# KiCad board rabbit_mask.kicad_pcb (continued)
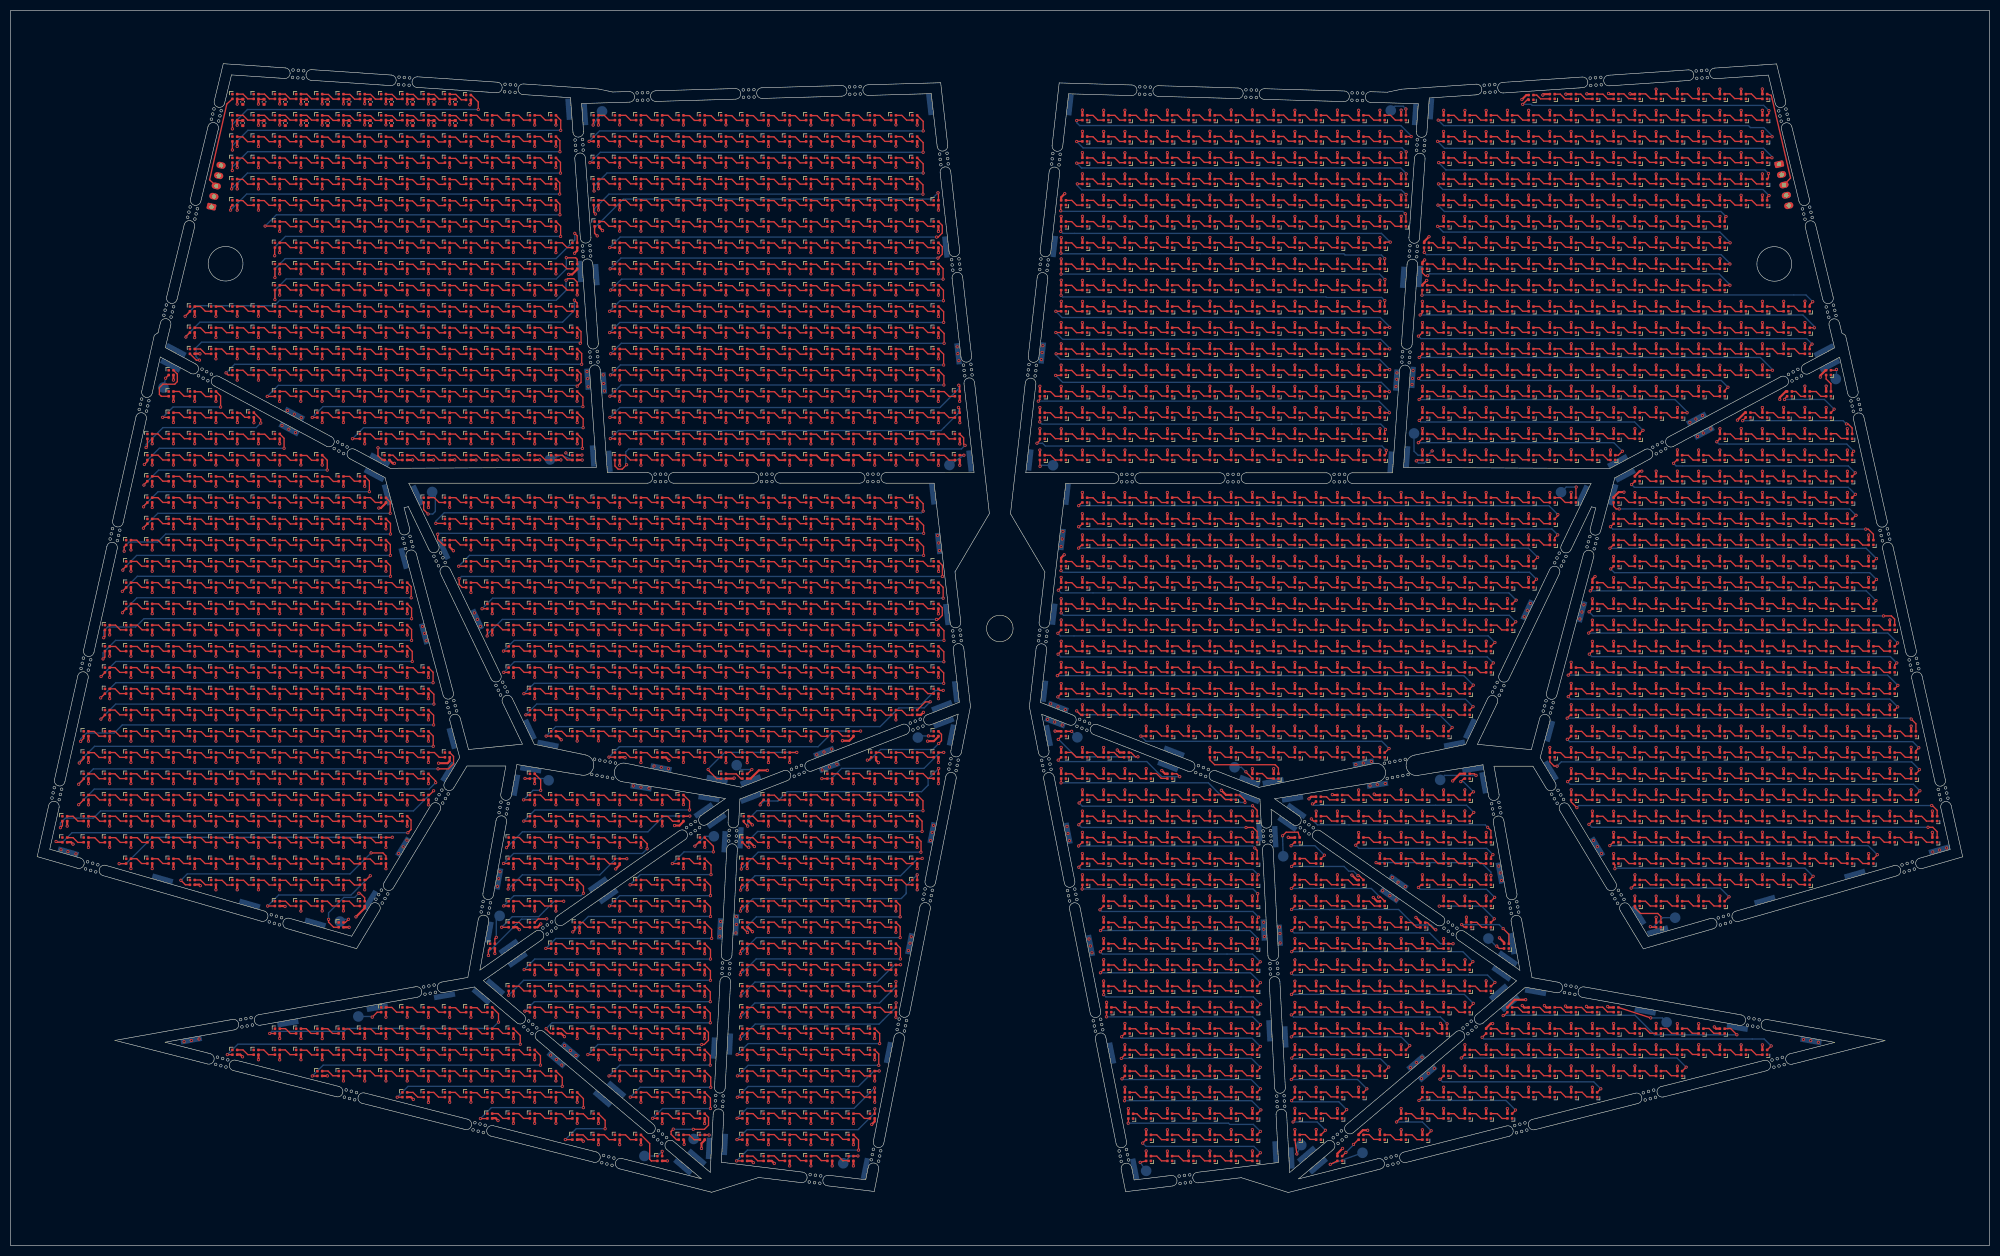
[diagram p0: board, top side]
## Routing (per net, layer and track width the routed paths; a pad name or vN(x,y) marks a point on that pad's centre or on a via; arc(x,y) is an arc through that point) (continued)
v1(217.75,125.8) ; 154.65,19.94 v1(154.65,18.96) ; 66.65,203.99 v1(66.65,203.01) ; 333.76,172.8 v1(333.76,173.78) ; D2649.2 v1(301.75,77.79) ; D2169.2 v1(281.75,133.79) ; 66.65,35.94 v1(66.65,34.96) ; 245.75,52.79 v1(245.75,53.76) ; 30.65,155.94 v1(30.65,154.96) ; 150.65,19.94 v1(150.65,18.96) ; 46.65,171.96 v1(46.65,170.99) ; 106.65,187.96 106.65,187.34 v1(106.15,186.84) ; 134.65,91.89 v1(134.65,90.91) ; D2652.2 v1(313.75,77.79) ; D2752.2 v1(249.75,61.79) ; 337.75,72.79 v1(337.75,73.76) ; 14.65,83.94 v1(14.65,82.96) ; 66.65,115.94 v1(66.65,114.96) ; 249.75,104.81 v1(249.75,105.78) ; D2817.2 v1(225.75,45.79) ; 170.67,131.91 v1(170.67,130.94) ; D2273.2 v1(257.75,121.79) ; 301.74,208.84 v1(301.74,209.81) ; 253.75,128.79 v1(253.75,129.76) ; 341.75,136.8 v1(341.75,137.78) ; 213.77,176.82 v1(213.77,177.8) ; 265.75,28.79 v1(265.75,29.76) ; 229.76,184.83 v1(229.76,185.8) ; D2718.2 v1(329.75,69.79) ; 114.65,119.99 v1(114.65,119.01) ; 42.65,75.94 v1(42.65,74.96) ; 229.75,84.84 228.78,84.84 v1(227.91,85.71) ; 94.65,187.99 v1(94.65,187.01) ; 317.75,204.83 v1(317.75,205.81) ; 54.65,127.94 v1(54.65,126.96) ; 229.75,100.85 v1(229.75,101.82) ; D2717.2 v1(325.75,69.79) ; 78.65,215.94 v1(78.65,214.96) ; 78.65,139.94 v1(78.65,138.96) ; 201.75,108.8 v1(201.75,109.77) ; 301.75,108.79 v1(301.75,109.76) ; D2938.2 v1(225.75,25.79) ; 201.75,100.82 v1(201.75,101.8) ; 309.76,160.82 v1(309.76,161.79) ; 345.74,92.77 v1(345.74,93.74) ; 237.75,196.79 v1(237.75,197.76) ; D2283.2 v1(309.75,121.79) ; 158.65,99.94 v1(158.65,98.96) ; 201.76,192.83 v1(201.76,193.81) ; v1(256.68,84.99) 256.88,84.79 257.75,84.79 ; 50.65,99.94 v1(50.65,98.96) ; D2753.2 v1(253.75,61.79) ; 305.75,212.77 v1(305.75,213.74) ; 229.75,124.85 v1(229.75,125.82) ; 233.75,44.84 v1(233.75,45.81) ; D2305.2 v1(241.75,117.79) ; 225.74,64.82 v1(225.74,65.8) ; 233.75,172.8 v1(233.75,173.77) ; 158.65,183.96 v1(158.65,182.99) ; 54.65,163.94 v1(54.65,162.96) ; 269.75,104.81 v1(269.75,105.78) ; D12.2 86.62,214.99 v1(86.45,214.81) ; 38.65,75.94 v1(38.65,74.96) ; 38.65,131.94 v1(38.65,130.96) ; D1442.2 v1(130.65,26.94) ; 146.65,203.96 v1(146.65,202.99) ; 297.75,204.86 v1(297.75,205.83) ; 309.76,172.81 v1(309.76,173.79) ; 162.65,63.94 v1(162.65,62.96) ; 229.75,160.84 v1(229.75,161.81) ; 293.75,104.86 v1(293.75,105.83) ; 130.65,71.94 v1(130.65,70.96) ; 174.65,107.96 v1(174.65,106.99) ; 38.65,151.94 v1(38.65,150.96) ; 110.65,195.96 v1(110.65,194.99) ; 26.65,79.94 v1(26.65,78.96) ; 229.75,112.83 v1(229.75,113.8) ; D2282.2 v1(305.75,121.79) ; 317.75,40.79 v1(317.75,41.76) ; D492.2 v1(98.65,154.94) ; 158.65,203.96 v1(158.65,202.99) ; 154.65,123.94 v1(154.65,122.96) ; 229.76,192.86 v1(229.76,193.83) ; 253.75,100.8 v1(253.75,101.77) ; 170.62,159.99 v1(170.62,159.01) ; 90.65,175.96 v1(90.65,174.99) ; 317.76,136.79 v1(317.76,137.76) ; D1199.2 114.65,71.64 v1(113.9,70.89) ; v1(266.57,181.73) 265.76,180.93 265.76,180.78 ; 150.65,111.99 v1(150.65,111.01) ; 74.65,207.96 v1(74.65,206.99) ; 273.76,168.79 v1(273.76,169.76) ; 150.65,163.94 v1(150.65,162.96) ; 66.65,211.99 v1(66.65,211.01) ; 62.65,87.94 v1(62.65,86.96) ; 18.65,111.94 v1(18.65,110.96) ; 285.76,156.82 v1(285.76,157.8) ; 245.75,56.79 v1(245.75,57.76) ; 170.65,183.99 v1(170.65,183.01) ; 293.76,180.83 v1(293.76,181.8) ; 18.65,103.94 v1(18.65,102.96) ; 285.76,184.81 v1(285.76,185.79) ; 313.75,176.8 v1(313.75,177.78) ; 74.65,27.94 75.35,27.94 v1(75.8,27.49) ; 90.65,151.96 v1(90.65,150.99) ; D2170.2 v1(285.75,133.79) ; 205.75,104.81 v1(205.75,105.78) ; 110.65,35.94 v1(110.65,34.96) ; 98.65,107.96 v1(98.65,106.99) ; 285.74,208.81 v1(285.74,209.79) ; 38.65,139.94 v1(38.65,138.96) ; 313.75,128.79 v1(313.75,129.76) ; 301.75,124.79 v1(301.75,125.76) ; 217.75,212.82 v1(217.75,213.8) ; 321.76,136.79 v1(321.76,137.76) ; 102.61,147.91 v1(103.58,147.91) ; 213.76,152.82 v1(213.76,153.8) ; 289.76,172.81 v1(289.76,173.79) ; 293.76,84.82 v1(293.76,85.8) ; 209.75,164.8 v1(209.75,165.78) ; v1(83.35,130.81) 82.65,131.51 82.65,131.94 ; 289.76,184.84 v1(289.76,185.81) ; 146.65,191.96 v1(146.65,190.99) ; 241.75,68.79 v1(241.75,69.76) ; 146.65,83.94 v1(146.65,82.96) ; D2815.2 v1(217.75,45.79) ; 249.75,172.8 v1(249.75,173.77) ; D2660.2 v1(345.75,77.79) ; 50.65,91.94 v1(50.65,90.96) ; 34.65,131.94 v1(34.65,130.96) ; D1006.2 v1(74.65,94.94) ; 333.75,140.85 v1(333.75,141.82) ; 106.65,163.96 v1(106.65,162.99) ; 78.65,39.94 v1(78.65,38.96) ; 269.75,108.79 v1(269.75,109.76) ; 213.75,200.82 v1(213.75,201.8) ; 237.75,156.79 v1(237.75,157.76) ; 138.65,91.89 v1(138.65,90.91) ; 50.65,195.96 v1(50.65,194.99) ; 22.65,107.94 v1(22.65,106.96) ; 329.75,76.84 v1(329.75,77.81) ; 309.75,32.79 v1(309.75,33.76) ; D1868.2 v1(241.75,169.79) ; D2685.2 v1(313.75,73.79) ; 46.65,107.94 v1(46.65,106.96) ; 209.76,184.8 v1(209.76,185.78) ; 297.76,160.84 v1(297.76,161.82) ; 62.65,95.94 v1(62.65,94.96) ; 158.65,23.94 v1(158.65,22.96) ; 118.65,131.94 v1(118.65,130.96) ; 301.76,164.79 v1(301.76,165.76) ; 74.65,199.96 v1(74.65,198.99) ; 130.65,207.99 v1(130.65,207.01) ; 130.65,75.94 v1(130.65,74.96) ; 150.65,63.94 v1(150.65,62.96) ; 22.65,103.94 v1(22.65,102.96) ; 46.65,143.94 v1(46.65,142.96) ; 253.76,188.79 v1(253.76,189.76) ; 158.65,171.96 v1(158.65,170.99) ; 217.75,100.82 v1(217.75,101.8) ; 50.65,71.94 v1(50.65,70.96) ; 293.76,168.84 v1(293.76,169.81) ; 166.62,159.96 v1(166.62,158.99) ; D2171.2 v1(289.75,133.79) ; D2383.2 v1(261.75,109.79) ; 90.65,123.96 v1(90.65,122.99) ; 74.65,111.94 v1(74.65,110.96) ; 74.65,43.94 v1(74.65,42.96) ; D2747.2 v1(225.75,61.79) ; 38.65,123.94 v1(38.65,122.96) ; 269.76,76.82 v1(269.76,77.8) ; 22.65,123.94 v1(22.65,122.96) ; D1642.2 v1(261.75,197.79) ; D1992.2 v1(329.75,157.79) ; 217.75,164.8 v1(217.75,165.78) ; 257.76,184.8 v1(257.76,185.78) ; 162.65,59.94 v1(162.65,58.96) ; D2682.2 v1(301.75,73.79) ; 221.75,104.83 v1(221.75,105.81) ; 146.65,127.94 v1(146.65,126.96) ; 138.65,107.96 v1(138.65,106.99) ; 106.65,51.94 v1(106.65,50.96) ; 86.65,179.96 v1(86.65,178.99) ; 257.75,200.8 v1(257.75,201.77) ; 26.65,99.94 v1(26.65,98.96) ; 241.75,204.79 v1(241.75,205.76) ; 118.65,167.96 v1(118.65,166.99) ; 289.76,188.85 v1(289.76,189.82) ; 209.75,172.82 v1(209.75,173.8) ; 166.65,163.96 v1(166.65,162.99) ; 162.65,71.94 v1(162.65,70.96) ; 94.65,59.94 95.28,59.94 v1(95.75,59.46) ; D2873.2 v1(257.75,37.79) ; 245.75,124.82 v1(245.75,125.8) ; 221.74,64.82 v1(221.74,65.8) ; 209.75,136.79 v1(209.75,137.76) ; D2474.2 v1(353.75,101.79) ; v1(123.92,91.34) 123.35,91.91 D1044.2 ; 205.76,192.81 v1(205.76,193.78) ; 213.75,212.82 v1(213.75,213.8) ; 341.75,164.82 341.66,164.82 340.65,163.81 v1(340.65,163.51) ; 213.75,172.82 v1(213.75,173.8) ; 66.65,99.94 v1(66.65,98.96) ; 98.65,83.94 v1(98.65,82.96) ; 90.65,155.96 v1(90.65,154.99) ; 42.67,155.94 v1(42.67,154.96) ; 150.67,123.94 v1(150.67,122.96) ; D2191.2 v1(221.75,129.79) ; D2823.2 v1(253.75,45.79) ; D1363.2 103.65,39.91 v1(104.25,39.31) ; 285.76,152.86 v1(285.76,153.83) ; D2902.2 v1(269.75,33.79) ; D2799.2 v1(225.75,49.79) ; 30.65,75.94 v1(30.65,74.96) ; 237.75,136.79 v1(237.75,137.76) ; 273.76,164.79 v1(273.76,165.76) ; 42.65,103.94 v1(42.65,102.96) ; 337.75,140.85 v1(337.75,141.82) ; 34.65,83.94 v1(34.65,82.96) ; 42.65,131.94 v1(42.65,130.96) ; 261.75,40.79 v1(261.75,41.76) ; 237.75,120.79 v1(237.75,121.76) ; 229.75,104.86 v1(229.75,105.83) ; 241.75,112.8 v1(241.75,113.78) ; 158.65,163.96 v1(158.65,162.99) ; 150.65,55.94 v1(150.65,54.96) ; 142.65,75.94 v1(142.65,74.96) ; 146.65,63.94 v1(146.65,62.96) ; D2205.2 v1(277.75,129.79) ; 289.74,216.8 288.59,216.8 v1(288.42,216.64) ; 305.75,116.8 v1(305.75,117.78) ; 114.65,91.94 115.58,91.94 v1(115.66,91.85) ; 249.75,156.79 v1(249.75,157.76) ; 253.75,68.79 253.43,68.79 v1(252.47,69.74) ; D1973.2 v1(241.75,157.79) ; D2209.2 v1(305.75,129.79) ; 241.75,72.79 v1(241.75,73.76) ; 309.76,168.81 v1(309.76,169.79) ; D2197.2 v1(245.75,129.79) ; 154.65,207.96 v1(154.65,206.99) ; 178.67,147.89 v1(178.67,146.91) ; 277.76,76.8 v1(277.76,77.78) ; 313.75,120.79 v1(313.75,121.76) ; 325.75,200.79 v1(325.75,201.76) ; 245.75,200.82 v1(245.75,201.8) ; 34.65,127.94 v1(34.65,126.96) ; 209.75,112.8 v1(209.75,113.78) ; 86.65,167.96 v1(86.65,166.99) ; 150.65,79.94 v1(150.65,78.96) ; 269.76,44.8 v1(269.76,45.78) ; 277.76,152.86 v1(277.76,153.83) ; D1353.2 v1(58.65,38.94) ; 58.65,79.94 v1(58.65,78.96) ; 329.74,152.83 v1(329.74,153.81) ; D504.2 v1(150.65,154.94) ; 233.76,208.86 v1(233.76,209.83) ; 126.65,179.99 v1(126.65,179.01) ; 309.76,164.81 v1(309.76,165.79) ; 249.76,192.83 v1(249.76,193.81) ; 78.65,191.96 v1(78.65,190.99) ; 245.76,132.81 v1(245.76,133.79) ; 122.65,31.94 v1(122.65,30.96) ; 237.74,140.8 v1(237.74,141.77) ; D2262.2 v1(213.75,121.79) ; 237.77,176.8 v1(237.77,177.77) ; 42.65,199.94 v1(42.65,198.96) ; D1457.2 v1(126.65,22.94) ; 26.65,115.94 v1(26.65,114.96) ; 281.76,152.86 v1(281.76,153.83) ; 293.76,88.82 v1(293.76,89.8) ; D605.2 70.65,139.82 69.7,138.86 v1(69.3,138.86) ; 154.65,43.94 v1(154.65,42.96) ; 317.76,172.79 v1(317.76,173.76) ; D2059.2 v1(317.75,149.79) ; v1(300.63,44.98) 300.8,44.81 D2834.2 ; 138.65,183.99 v1(138.65,183.01) ; 326.61,156.85 326.49,156.85 v1(325.05,155.41) ; 297.74,208.84 v1(297.74,209.81) ; D2347.2 v1(261.75,113.79) ; 277.76,164.81 v1(277.76,165.79) ; 269.75,212.79 v1(269.75,213.77) ; 58.65,183.96 v1(58.65,182.99) ; D1889.2 v1(329.75,169.79) ; 38.65,115.94 v1(38.65,114.96) ; D2894.2 v1(225.75,33.79) ; 233.76,152.8 v1(233.76,153.77) ; 62.65,183.96 v1(62.65,182.99) ; 289.76,156.82 v1(289.76,157.8) ; 158.65,51.94 v1(158.65,50.96) ; 265.75,176.8 v1(265.75,177.78) ; 118.65,139.96 v1(118.65,138.99) ; 102.65,95.94 102.92,95.94 v1(103.65,95.21) ; v1(35.64,167.9) 35.6,167.94 34.65,167.94 ; 229.75,92.79 v1(229.75,93.76) ; 46.65,127.94 v1(46.65,126.96) ; 229.76,208.86 v1(229.76,209.83) ; 166.65,83.94 v1(166.65,82.96) ; D1961.2 v1(193.75,157.79) ; 150.65,15.94 v1(150.65,14.96) ; 229.76,152.85 v1(229.76,153.82) ; 150.65,95.96 v1(150.65,94.99) ; 122.65,183.99 v1(122.65,183.01) ; D2126.2 v1(249.75,137.79) ; 118.65,175.94 v1(118.65,174.96) ; 62.65,67.94 v1(62.65,66.96) ; 233.76,184.78 v1(233.76,185.75) ; 158.65,211.96 v1(158.65,210.99) ; D2746.2 v1(221.75,61.79) ; D1631.2 v1(217.75,197.79) ; 269.76,100.79 v1(269.76,101.76) ; 205.74,140.8 v1(205.74,141.77) ; 142.65,123.99 v1(142.65,123.01) ; 126.65,175.96 v1(126.65,174.99) ; 209.75,124.82 v1(209.75,125.8) ; 237.76,192.81 v1(237.76,193.78) ; D1862.2 v1(217.75,169.79) ; 26.65,87.94 v1(26.65,86.96) ; 273.75,196.79 v1(273.75,197.76) ; D1439.2 v1(118.65,26.94) ; 98.65,191.96 v1(98.65,190.99) ; 142.65,179.99 v1(142.65,179.01) ; 46.65,163.92 v1(46.65,162.95) ; D1977.2 v1(257.75,157.79) ; 30.65,111.94 v1(30.65,110.96) ; 229.75,80.84 v1(229.75,81.81) ; 162.65,111.94 v1(162.65,110.96) ; 102.65,195.96 v1(102.65,194.99) ; 54.65,171.94 v1(54.65,170.96) ; D2895.2 v1(229.75,33.79) ; 34.65,175.94 v1(34.65,174.96) ; 138.65,195.94 v1(138.65,194.96) ; 50.65,131.94 v1(50.65,130.96) ; 345.75,136.8 v1(345.75,137.78) ; 233.76,188.79 v1(233.76,189.76) ; 102.65,171.94 v1(102.65,170.96) ; 18.65,107.94 v1(18.65,106.96) ; 245.75,96.84 v1(245.75,97.81) ; 94.65,23.96 v1(94.65,22.99) ; 233.75,212.85 v1(233.75,213.82) ; 209.75,108.82 v1(209.75,109.8) ; 154.65,59.94 v1(154.65,58.96) ; 209.75,56.79 v1(209.75,57.76) ; D2816.2 v1(221.75,45.79) ; 197.75,104.83 v1(197.75,105.81) ; 273.76,188.82 v1(273.76,189.8) ; 325.75,144.84 v1(325.75,145.81) ; 325.76,100.81 v1(325.76,101.79) ; 253.75,80.79 v1(253.75,81.76) ; 146.65,43.94 v1(146.65,42.96) ; 297.76,184.79 v1(297.76,185.76) ; 82.65,31.94 v1(82.65,30.96) ; 166.65,171.96 v1(166.65,170.99) ; 30.65,147.94 v1(30.65,146.96) ; 110.65,99.99 v1(110.65,99.01) ; 305.75,200.79 v1(305.75,201.76) ; 166.65,167.96 v1(166.65,166.99) ; 146.65,171.94 v1(146.65,170.96) ; D2890.2 v1(209.75,33.79) ; 297.76,100.84 v1(297.76,101.81) ; 42.65,99.94 v1(42.65,98.96) ; 285.76,188.82 v1(285.76,189.8) ; 225.75,156.84 v1(225.75,157.81) ; 50.65,167.94 v1(50.65,166.96) ; 225.75,128.84 v1(225.75,129.81) ; 142.65,207.94 v1(142.65,206.96) ; 273.75,192.8 v1(273.75,193.77) ; 34.65,159.94 v1(34.65,158.96) ; 281.76,180.8 v1(281.76,181.78) ; 205.75,128.79 v1(205.75,129.76) ; 34.65,79.94 v1(34.65,78.96) ; 46.65,131.94 v1(46.65,130.96) ; 106.65,135.99 v1(106.65,135.01) ; 130.65,171.96 v1(130.65,170.99) ; 345.76,88.8 v1(345.76,89.77) ; 158.65,27.94 v1(158.65,26.96) ; 62.65,211.96 v1(62.65,210.99) ; D2129.2 v1(261.75,137.79) ; 38.65,103.94 v1(38.65,102.96) ; 46.65,103.94 v1(46.65,102.96) ; 94.65,151.96 v1(94.65,150.99) ; 138.65,127.96 v1(138.65,126.99) ; 102.65,83.96 v1(102.65,82.99) ; 122.65,155.96 v1(122.65,154.99) ; v1(208.3,93.29) 208.78,92.81 D2511.2 ; 345.75,96.78 v1(345.75,97.75) ; D1480.2 143.27,15.91 v1(143.75,15.44) ; 102.65,199.96 v1(102.65,198.99) ; 142.65,35.94 v1(142.65,34.96) ; 309.76,184.81 v1(309.76,185.79) ; 126.65,39.94 v1(126.65,38.96) ; 229.75,68.84 v1(229.75,69.81) ; 317.76,188.8 v1(317.76,189.77) ; 201.75,160.79 v1(201.75,161.76) ; 62.65,35.94 v1(62.65,34.96) ; 150.65,115.94 v1(150.65,114.96) ; 178.67,151.91 v1(178.67,150.94) ; 102.65,43.94 v1(102.65,42.96) ; 333.75,116.83 v1(333.75,117.8) ; D2862.2 v1(209.75,37.79) ; 333.75,156.84 v1(333.75,157.81) ; 241.75,28.84 v1(241.75,29.81) ; D1648.2 v1(289.75,197.79) ; 265.75,116.78 v1(265.75,117.75) ; 221.75,20.79 v1(221.75,21.76) ; D2611.2 v1(261.75,81.79) ; 38.65,135.94 v1(38.65,134.96) ; D577.2 v1(158.65,146.94) ; 134.65,95.94 v1(134.65,94.96) ; D2855.2 v1(297.75,41.79) ; D821.2 v1(62.65,114.94) ; D1958.2 334.15,160.81 333.03,159.69 v1(333.03,159.31) ; 46.65,91.94 v1(46.65,90.96) ; D578.2 v1(162.65,146.94) ; 237.75,164.78 v1(237.75,165.75) ; 245.74,64.8 v1(245.74,65.77) ; 301.75,212.82 v1(301.75,213.79) ; 158.65,115.94 v1(158.65,114.96) ; 38.65,79.94 v1(38.65,78.96) ; 46.65,211.94 v1(46.65,210.96) ; 337.75,68.84 v1(337.75,69.81) ; 98.65,35.94 v1(98.65,34.96) ; D2917.2 v1(221.75,29.79) ; 130.65,175.94 v1(130.65,174.96) ; D2097.2 v1(277.75,141.79) ; D2962.2 v1(213.75,17.79) ; 237.76,184.78 v1(237.76,185.75) ; 106.65,111.99 v1(106.65,111.01) ; 213.75,40.79 v1(213.75,41.76) ; 273.75,116.8 v1(273.75,117.78) ; 249.75,32.79 v1(249.75,33.76) ; D2174.2 v1(309.75,133.79) ; D2694.2 v1(349.75,73.79) ; 66.65,143.94 v1(66.65,142.96) ; 229.77,176.85 v1(229.77,177.82) ; D2810.2 v1(273.75,49.79) ; v1(80.55,90.81) 82.25,90.81 82.65,91.21 82.65,91.96 ; 138.65,119.96 v1(138.65,118.99) ; 78.65,95.94 v1(78.65,94.96) ; 325.75,176.8 v1(325.75,177.78) ; D2781.2 v1(221.75,53.79) ; D1241.2 66.65,63.51 v1(65,61.86) ; 106.65,103.99 v1(106.65,103.01) ; 265.75,20.79 v1(265.75,21.76) ; 38.65,143.94 v1(38.65,142.96) ; 209.75,100.8 v1(209.75,101.77) ; 94.65,31.94 v1(94.65,30.96) ; 329.75,112.84 v1(329.75,113.81) ; D2706.2 v1(249.75,69.79) ; 205.75,200.8 v1(205.75,201.77) ; D2070.2 v1(317.75,145.79) ; 46.65,175.96 v1(46.65,174.99) ; 34.65,99.94 v1(34.65,98.96) ; 118.65,199.99 v1(118.65,199.01) ; D2826.2 v1(265.75,45.79) ; 253.75,160.79 v1(253.75,161.76) ; 241.76,148.81 v1(241.76,149.79) ; D1189.2 v1(54.65,70.94) ; 114.65,207.99 v1(114.65,207.01) ; 333.74,148.83 v1(333.74,149.8) ; 205.75,108.8 v1(205.75,109.77) ; 197.75,108.82 v1(197.75,109.8) ; 158.65,71.94 v1(158.65,70.96) ; 138.65,147.94 v1(138.65,146.96) ; D2665.2 v1(201.75,73.79) ; 58.65,75.94 v1(58.65,74.96) ; 50.65,75.94 v1(50.65,74.96) ; 245.76,180.8 v1(245.76,181.78) ; 18.65,95.94 v1(18.65,94.96) ; 122.65,203.96 v1(122.65,202.99) ; 70.65,31.94 v1(70.65,30.96) ; 146.65,107.96 v1(146.65,106.99) ; 66.65,175.94 v1(66.65,174.96) ; 66.65,183.96 v1(66.65,182.99) ; 273.75,176.78 v1(273.75,177.75) ; 122.65,127.94 v1(122.65,126.96) ; D663.2 v1(166.65,134.94) ; 257.76,192.81 v1(257.76,193.78) ; 313.75,40.79 v1(313.75,41.76) ; 130.65,19.96 130.65,19.82 130.05,19.22 v1(130.05,18.26) ; 154.65,23.94 v1(154.65,22.96) ; 138.65,203.94 v1(138.65,202.96) ; 301.75,32.84 v1(301.75,33.81) ; 146.65,95.96 v1(146.65,94.99) ; D1869.2 v1(245.75,169.79) ; 134.65,167.96 v1(134.65,166.99) ; 138.65,151.96 v1(138.65,150.99) ; 46.65,83.94 v1(46.65,82.96) ; 50.65,203.96 v1(50.65,202.99) ; 265.75,96.79 v1(265.75,97.76) ; 110.65,79.96 v1(110.65,78.99) ; 154.65,83.94 v1(154.65,82.96) ; 221.76,180.8 v1(221.76,181.78) ; 130.65,199.99 v1(130.65,199.01) ; 134.65,199.99 v1(134.65,199.01) ; 154.65,183.96 v1(154.65,182.99) ; D1890.2 v1(333.75,169.79) ; 269.76,164.79 v1(269.76,165.76) ; 46.65,203.94 v1(46.65,202.96) ; 357.75,92.82 v1(357.75,93.8) ; D2630.2 v1(357.75,81.79) ; 98.65,199.96 v1(98.65,198.99) ; 225.75,112.83 v1(225.75,113.8) ; 345.76,108.82 v1(345.76,109.8) ; 249.75,200.82 v1(249.75,201.8) ; 285.75,44.79 284.91,44.79 v1(284.54,45.16) ; 130.65,103.94 v1(130.65,102.96) ; 70.65,191.99 v1(70.65,191.01) ; D2257.2 v1(349.75,125.79) ; 233.75,124.8 v1(233.75,125.77) ; D699.2 v1(166.65,130.94) ; 114.65,103.96 v1(114.65,102.99) ; 130.65,119.96 v1(130.65,118.99) ; 130.65,155.94 v1(130.65,154.96) ; 26.65,139.94 v1(26.65,138.96) ; 98.65,163.94 v1(98.65,162.96) ; 166.65,187.96 v1(166.65,186.99) ; 102.65,119.99 v1(102.65,119.01) ; 86.65,207.99 v1(86.65,207.01) ; 277.76,60.81 v1(277.76,61.79) ; 66.65,83.94 v1(66.65,82.96) ; 337.76,88.82 v1(337.76,89.8) ; D2350.2 v1(273.75,113.79) ; 50.65,199.96 v1(50.65,198.99) ; 213.76,132.81 v1(213.76,133.79) ; 162.65,195.99 v1(162.65,195.01) ; 317.76,184.79 v1(317.76,185.76) ; 146.65,199.96 v1(146.65,198.99) ; 154.65,63.94 v1(154.65,62.96) ; 102.65,103.96 v1(102.65,102.99) ; D1573.2 v1(249.75,205.79) ; 277.76,172.81 v1(277.76,173.79) ; 118.65,99.96 v1(118.65,98.99) ; 317.75,64.82 v1(317.75,65.8) ; 22.65,87.94 v1(22.65,86.96) ; 134.65,179.96 v1(134.65,178.99) ; 345.74,148.8 v1(345.74,149.78) ; 118.65,151.94 v1(118.65,150.96) ; 74.65,163.99 v1(74.65,163.01) ; 261.76,192.83 v1(261.76,193.81) ; D2845.2 v1(253.75,41.79) ; 102.63,159.94 v1(102.63,158.96) ; 94.65,131.99 v1(94.65,131.01) ; 42.65,67.94 v1(42.65,66.96) ; 122.65,59.94 v1(122.65,58.96) ; 70.65,127.94 v1(70.65,126.96) ; 162.65,79.94 v1(162.65,78.96) ; 329.75,120.84 v1(329.75,121.81) ; 265.76,172.81 v1(265.76,173.79) ; 170.65,195.96 v1(170.65,194.99) ; 146.65,59.94 v1(146.65,58.96) ; 277.76,160.82 v1(277.76,161.79) ; 158.65,75.94 v1(158.65,74.96) ; 209.75,76.78 v1(209.75,77.75) ; 265.76,168.81 v1(265.76,169.79) ; 26.65,143.94 v1(26.65,142.96) ; D1074.2 139.3,87.91 140.85,89.46 v1(142.45,89.46) ; 257.76,132.79 v1(257.76,133.76) ; 321.76,160.79 v1(321.76,161.77) ; 325.74,216.78 v1(325.74,217.75) ; 245.76,184.8 v1(245.76,185.78) ; 130.65,195.99 v1(130.65,195.01) ; 74.65,155.96 v1(74.65,154.99) ; 301.74,216.83 300.91,216.83 v1(300.8,216.94) ; D2287.2 v1(325.75,121.79) ; 225.75,116.84 v1(225.75,117.81) ; 98.65,63.94 v1(98.65,62.96) ; 134.65,203.99 v1(134.65,203.01) ; 166.65,79.94 v1(166.65,78.96) ; 241.76,188.81 v1(241.76,189.79) ; D2270.2 v1(245.75,121.79) ; 273.75,140.79 v1(273.75,141.76) ; 154.65,155.94 v1(154.65,154.96) ; 253.75,56.81 v1(253.75,57.79) ; 170.65,211.96 v1(170.65,210.99) ; 281.76,136.81 v1(281.76,137.79) ; 249.75,168.79 v1(249.75,169.76) ; 78.65,151.96 v1(78.65,150.99) ; 325.75,204.81 v1(325.75,205.78) ; 138.65,23.94 v1(138.65,22.96) ; 18.65,99.94 v1(18.65,98.96) ; D1301.2 v1(130.65,50.94) ; 110.65,127.99 v1(110.65,127.01) ; 86.65,35.94 v1(86.65,34.96) ; 142.65,171.99 v1(142.65,171.01) ; 313.75,68.79 v1(313.75,69.76) ; 158.65,103.94 v1(158.65,102.96) ; 70.65,111.94 v1(70.65,110.96) ; 98.65,135.96 v1(98.65,134.99) ; D320.2 v1(102.65,174.94) ; D2695.2 v1(201.75,69.79) ; 114.65,111.96 v1(114.65,110.99) ; 130.62,159.96 v1(130.62,158.99) ; 333.75,112.84 v1(333.75,113.81) ; D2255.2 v1(341.75,125.79) ; 118.65,171.96 v1(118.65,170.99) ; D2117.2 v1(213.75,137.79) ; 337.75,116.8 v1(337.75,117.78) ; 126.65,111.94 v1(126.65,110.96) ; D2073.2 v1(329.75,145.79) ; 349.76,112.82 v1(349.76,113.8) ; 317.75,132.79 v1(317.75,133.76) ; 281.76,160.82 v1(281.76,161.79) ; 122.65,131.96 v1(122.65,130.99) ; 273.76,44.8 v1(273.76,45.78) ; D931.2 v1(62.65,102.94) ; v1(107.1,58.89) D1261.2 ; 273.75,212.77 v1(273.75,213.74) ; 241.75,20.84 v1(241.75,21.81) ; 205.75,196.79 v1(205.75,197.76) ; 174.65,187.94 v1(174.65,186.96) ; 166.65,99.94 v1(166.65,98.96) ; 94.61,147.92 v1(95.59,147.92) ; 26.65,91.94 v1(26.65,90.96) ; D2050.2 v1(273.75,149.79) ; 253.75,84.79 v1(253.75,85.76) 